# Allegro board Try it by yourself - iMX6Rex module - Change track width on L3.brd (continued)
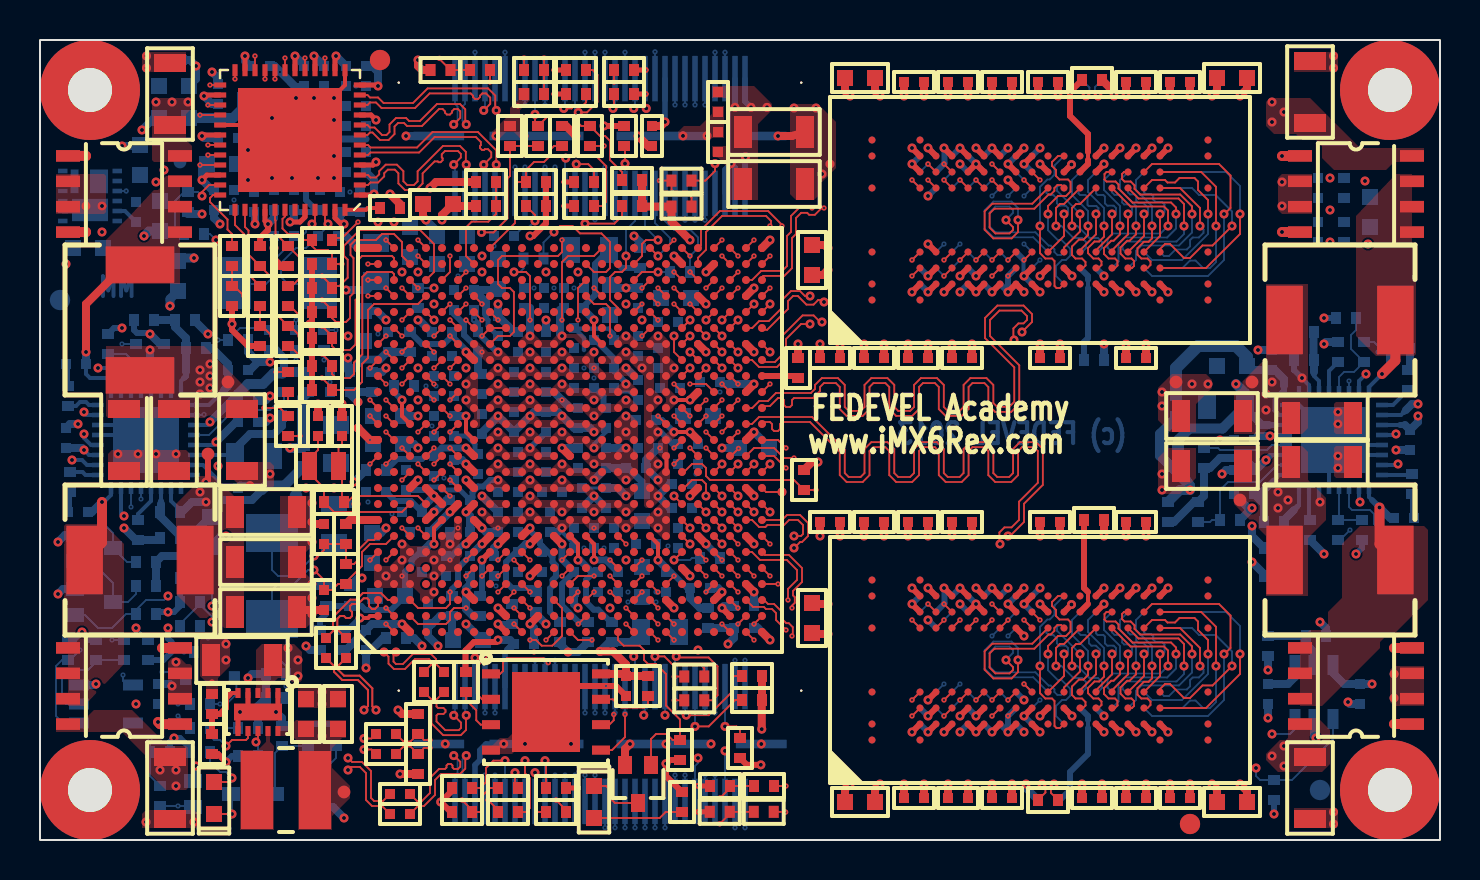
[diagram p0: board, top side]
## Routing (per net, layer and track width the routed paths; a pad name or vN(x,y) marks a point on that pad's centre or on a via; arc(x,y) is an arc through that point) (continued)
RGMII_RXD2: length 27.4
  TOP w0.093: v2(8,36.25) U8.28 ; U1.B24 17.7,29.1 17.6,29.2 16.1,29.2 15.88,28.98 15.88,27.1 15.77,27 15.77,24.78 15.5,24.5 14.8,24.5 14.6,24.7 R96.1 14.6,25.2 v2(14.1,25.7)
  L2 w0.1: v2(8,36.25) v3(8.4,36.25) ; v2(14.1,25.7) v3(14.4,25.4)
  L3 w0.1: v3(8.4,36.25) 8.4,35.8 9,35.2 9,34.9 8.3,34.2 8.3,33.76 7.64,33.1 7.64,31.86 7.47,31.7 7.47,29.86 11.5,25.83 11.5,25.5 11.78,25.22 12.21,25.22 12.48,25.49 13.21,25.49 13.3,25.4 v3(14.4,25.4)
RGMII_RXD3: length 28.5
  TOP w0.093: 14.65,27.65 14.7,27.7 14.97,27.7 15.38,28.12 15.38,29.02 15.2,29.2 15.2,29.71 15.99,30.5 19,30.5 19.7,29.8 19.7,28.4 U1.D23 ; 14.65,27.65 14.7,27.6 ; 14.65,27.65 R95.1 14.6,27.7 v2(14.1,28.2) ; v2(8.4,36.75) U8.27
  L2 w0.1: v2(8.4,36.75) v3(8.8,36.75) ; v2(14.1,28.2) v3(14.4,27.9)
  L3 w0.1: v3(8.8,36.75) 8.8,36.5 8.7,36.4 8.7,35.83 9.22,35.3 9.22,34.8 9.08,34.66 9.08,34.1 8.87,33.89 8.87,33.73 9.1,33.5 9.1,33.3 8.87,33.08 8.87,32.93 9.1,32.7 9.1,32.53 8.87,32.3 8.87,32.1 9.2,31.78 9.2,31.4 9,31.2 8.57,31.2 8.2,30.83 8.2,29.8 9.8,28.2 10.8,28.2 11.8,27.2 12.3,27.2 12.5,27.4 12.5,27.8 12.7,28 14.3,28 v3(14.4,27.9)
RGMII_RXDV: length 27.5
  TOP w0.093: 14.7,22.5 15.7,22.5 16.1,22.9 16.1,23.8 16.4,24.1 16.4,26.5 16.7,26.8 18.9,26.8 U1.D22 ; 14.7,22.5 v2(14.1,23.1) ; 14.7,22.5 R91.1 ; v2(8,33.75) U8.33
  L2 w0.1: v3(7.6,33.75) v2(8,33.75) ; v3(13.8,23.4) v2(14.1,23.1)
  L3 w0.1: v3(13.8,23.4) 13.5,23.7 13.3,23.7 13.1,23.5 12.9,23.5 11.7,24.7 11.43,24.7 10.93,25.2 10.93,25.57 8.1,28.4 7.47,28.4 6.97,28.9 6.97,30.49 6.7,30.76 6.7,34.1 6.9,34.3 7.4,34.3 7.6,34.1 v3(7.6,33.75)
RGMII_TXCLK: length 19.7
  TOP w0.093: v2(9.75,38.05) U8.24
  L2 w0.1: v2(9.75,38.05) v3(10.15,38.05)
  L3 w0.1: v1(19.7,27.6) 19.7,28.21 19.2,28.71 19.2,28.8 18.8,29.2 18.6,29.2 18.5,29.1 18.3,29.1 18.2,29.2 18.2,29.4 18.3,29.5 18.3,29.7 17.98,30.02 17.4,30.02 17.18,29.8 16.3,29.8 16.08,30.02 14.88,30.02 14.47,30.43 14.2,30.43 14.02,30.6 14.02,30.91 13.37,31.56 12.24,31.56 11.22,32.57 11.22,34.78 10.8,35.2 10.8,35.48 10.15,36.13 10.15,36.39 10.5,36.74 10.5,37 10.1,37.4 10.1,38 v3(10.15,38.05)
  BOTTOM w0.093: R35.2 v1(19.7,27.6)
RGMII_TXD0: length 21.2
  TOP w0.093: U8.19 v2(12.25,39.1) ; v2(18.1,27.6) U1.C22
  L2 w0.1: v2(18.1,27.6) v3(18.4,27.9) ; v3(12.25,38.7) v2(12.25,39.1)
  L3 w0.1: v3(12.25,38.7) 12.05,38.9 11.25,38.9 10.87,38.52 10.01,38.52 9.7,38.2 9.7,36.1 10.27,35.53 10.27,35.22 10.8,34.7 10.8,32.4 11.92,31.28 12.82,31.28 13.17,30.93 13.17,30.7 14.07,29.8 15.17,29.8 15.74,29.22 16.22,29.22 16.4,29.4 17.1,29.4 17.57,28.93 17.57,28.4 18.07,27.9 v3(18.4,27.9)
RGMII_TXD1: length 21.2
  TOP w0.093: v2(11.75,38.05) U8.20 ; v2(20.5,26) U1.F20
  L2 w0.1: v2(11.75,38.05) v3(11.75,38.45) ; v3(20.3,26.4) 20.3,26.2 v2(20.5,26)
  L3 w0.1: v3(20.3,26.4) 20.5,26.6 20.5,27.2 20.27,27.43 20.27,29.04 19.61,29.7 19.2,29.7 18.37,30.53 16.01,30.53 15.33,31.2 14.9,31.2 13.9,32.2 12.87,32.2 12.22,32.84 12.22,33.78 11.8,34.2 11.8,35.37 11.2,35.97 11.2,37.3 11.37,37.48 11.9,37.48 12.1,37.68 12.1,38.2 11.85,38.45 v3(11.75,38.45)
RGMII_TXD2: length 21.3
  TOP w0.093: v2(11.25,38.05) U8.21 ; U1.E21 v2(20.5,26.8)
  L2 w0.1: v2(11.25,38.05) v3(11.25,38.45) ; v3(20.2,27.1) v2(20.5,26.8)
  L3 w0.1: v3(11.25,38.45) 11.3,38.45 11.65,38.1 11.65,37.86 11.47,37.68 11.23,37.68 11.01,37.9 10.77,37.9 10.59,37.72 10.59,37.48 10.95,37.12 10.95,35.89 11.55,35.29 11.55,34.1 11.97,33.68 11.97,32.63 12.65,31.95 13.78,31.95 14.77,30.96 14.77,30.69 15.17,30.3 18.2,30.3 19,29.5 19.53,29.5 20.07,28.96 20.07,27.22 v3(20.2,27.1)
RGMII_TXD3: length 21.2
  TOP w0.093: v2(16.4,28.8) U1.A24 ; U8.22 v2(10.75,39.2)
  L2 w0.1: v2(16.4,28.8) v3(16.8,28.8) ; v3(10.75,38.8) v2(10.75,39.2)
  L3 w0.1: v3(16.8,28.8) 16.6,28.6 15.6,28.6 14.9,29.3 13.58,29.3 12.86,30.03 12.48,30.03 12.08,30.43 10.57,30.43 9.75,31.25 9.75,35.35 9.2,35.9 9.2,37.2 9,37.4 8.65,37.4 8.22,37.83 8.22,38.63 8.42,38.83 8.9,38.83 9.12,38.6 9.3,38.6 9.5,38.8 v3(10.75,38.8)
RGMII_TXEN: length 21.2
  TOP w0.093: v2(8.5,37.75) U8.25 ; U1.C23 v2(18.9,27.6)
  L2 w0.1: v3(18.6,27.3) v2(18.9,27.6) ; v2(8.5,37.75) v3(8.9,37.75)
  L3 w0.1: v3(8.9,37.75) 8.9,38.1 9.05,38.25 9.3,38.25 9.45,38.1 9.45,35.98 10.02,35.4 10.02,34.1 10.3,33.83 10.3,33.48 10.02,33.2 10.02,32.7 10.3,32.43 10.3,32.08 10.02,31.8 10.02,31.48 10.3,31.2 11.53,31.2 11.96,30.77 12.1,30.77 12.44,30.43 13.02,30.43 13.9,29.55 15.07,29.55 15.72,28.9 16.3,28.9 16.5,29.1 17,29.1 17.2,28.9 17.2,28 17.5,27.7 18.2,27.7 18.6,27.3 v3(18.6,27.3)
RSTINN: length 70.8
  L3 w0.1: v4(17.6,36.2) 19.1,36.2 19.48,36.58 21.72,36.58 22,36.86 23.78,36.86 24.24,37.32 25.52,37.32 25.76,37.56 28.4,37.56 29.55,38.7 30.5,38.7 30.86,38.34 31.43,38.34 31.64,38.54 v4(33.75,38.54)
  L10 w0.08: v4(33.75,38.54) v5(33.75,38.98) ; v4(17.6,36.2) 17.4,36.2 16.5,37.1 16.5,38 15.75,38.75 9.55,38.75 8.82,38.03 7.12,38.03 6.22,37.13 6.22,35.99 5.31,35.09 5.01,35.09 4.23,34.3 3.8,34.3 1.6,32.1 1.6,29.93 1.8,29.73 1.8,24.23 2.13,23.9 2.13,22.57 1.5,21.94 1.5,19.67 1.97,19.19 1.97,18.74 1.8,18.57 1.8,12.1 2.7,11.2 2.7,10.2 v5(1.7,9.2)
  L11 w0.1: v5(33.75,38.98) v6(33.75,39.38) ; v5(1.7,9.2) v6(2,9.5)
  BOTTOM w0.093: U7.1 1.9,5.9 1.1,5.9 0.8,6.2 0.8,8.7 1.1,9 R68.1 1.5,9 v6(2,9.5) ; J1.8 v6(33.75,39.38)
RSTOUTN: length 79.2
  TOP w0.093: v1(33.75,33.82) 33.75,33.45 33.27,32.97 R51.2
  L3 w0.1: v1(33.75,33.82) 32.99,34.58 31.11,34.58 30.87,34.35 30.87,33.98 30.55,33.66 30.15,33.66 29.7,33.2 29.7,32.35 27.57,30.22 26.97,30.22 26.16,31.03 25.21,31.03 24.91,31.33 24.59,31.33 24.22,30.95 21.65,30.95 21.5,30.8 20.47,30.8 20.3,30.63 19.94,30.63 19.72,30.84 19.72,31.11 19.46,31.38 18.1,31.38 17.97,31.5 16.62,31.5 16.52,31.4 16,31.4 15.9,31.5 15.6,31.5 15.3,31.8 14.9,31.8 v4(14.5,32.2)
  L10 w0.08: v4(14.5,32.2) 15.1,32.8 15.1,33.27 14.32,34.04 14.32,36.16 14.67,36.5 15.59,36.5 15.88,36.79 15.88,37.3 15.7,37.48 15.2,37.98 14.95,38.23 9.72,38.23 9.07,37.57 8.04,37.57 7.82,37.36 7.82,36.7 7.53,36.4 7.3,36.4 5.5,34.6 5.3,34.6 4.3,33.6 4.3,32.3 3.47,31.48 3.47,30.24 2.7,29.47 2.7,25.47 4.1,24.07 4.1,23.74 4.5,23.33 4.5,22.7 3.7,21.9 3.7,20 3.5,19.8 3.5,12.9 4.1,12.3 4.1,11.4 4.42,11.08 4.42,8.88 5,8.3 5,7.8 6,6.8 v5(6.5,6.8)
  L11 w0.1: v5(6.5,6.8) v6(6.9,6.8)
  BOTTOM w0.093: v6(6.9,6.8) R70.2 ; J1.7 v1(33.75,33.82)
RSTOUTN_R: length 19.3
  TOP w0.093: v2(30.97,32.97) R51.1 31.57,32.51 31.75,32.33 32.37,32.33 32.57,32.13 R49.1 ; U1.H19 22.9,25.2 23.5,25.2 23.7,25.4 23.7,27.4 23.5,27.6 23.1,27.6 22.9,27.8 22.9,29 23.1,29.2 25.9,29.2 26.1,29.4 v2(26.1,30)
  L2 w0.1: v2(26.1,30) v3(26.5,30) ; v2(30.97,32.97) v3(30.97,33.37)
  L3 w0.1: v3(30.97,33.37) 30.97,33.06 27.72,29.8 26.7,29.8 v3(26.5,30)
RTC_XTALI: length 7.9
  TOP w0.093: U1.D9 18.9,17.2 15.67,17.2 15.37,16.9 R54.1 15.1,17 15.1,18.52 Y2.1 14.92,19.63 15.1,19.8 C85.1
RTC_XTALO: length 8.4
  TOP w0.093: C86.1 13.9,19.5 13.47,19.08 Y2.2 13.47,18.33 14.2,17.6 R54.2 14.7,16.4 18.1,16.4 U1.C9
SATA_C_RX_N: length 19.7
  TOP w0.09: v2(16.5,21.2) U1.A14 ; C69.1 19.55,8.75 19.55,8.95 19.45,9.05 18.75,9.05 18.25,8.55 17.69,8.55 17.42,8.82 17.42,9.17 17.2,9.39 v1(17.2,9.4)
  L2 w0.1: v2(16.5,21.2) v3(16.8,20.9)
  L3 w0.085: v3(16.8,20.9) v4(17.1,20.6)
  L10 w0.085: v4(17.1,20.6) 17.17,20.6 17.37,20.4 17.37,20.23 17.69,19.92 18.7,19.92 18.75,19.97 19.3,19.97 19.6,19.67 19.6,18.02 17.92,16.34 17.92,15.7 17.45,15.23 17.45,13.73 17.67,13.52 17.67,13.05 17.45,12.83 17.45,10.6 17.35,10.49 17.35,9.6 17.2,9.45 v1(17.2,9.4)
SATA_C_RX_P: length 19.7
  TOP w0.09: v2(17.3,21.2) U1.B14 ; C70.1 19.8,8.8 19.8,9.05 19.55,9.3 18.65,9.3 18.15,8.8 17.8,8.8 17.67,8.92 17.67,9.28 v1(17.8,9.4)
  L2 w0.1: v2(17.3,21.2) v3(17.6,20.9)
  L3 w0.085: v3(17.6,20.9) v4(17.9,20.6)
  L10 w0.085: v1(17.8,9.4) 17.8,9.45 17.63,9.63 17.63,10.38 17.73,10.48 17.73,12.72 17.95,12.93 17.95,13.63 17.73,13.85 17.73,15.12 18.2,15.58 18.2,16.22 19.88,17.9 19.88,19.78 19.42,20.25 18.63,20.25 18.58,20.2 17.8,20.2 17.65,20.35 17.65,20.45 17.8,20.6 v4(17.9,20.6)
SATA_C_TX_N: length 25.7
  TOP w0.09: C71.1 17.1,1.7 16.6,1.7 16.3,2 16.3,3.35 16,3.65 15.55,3.65 v1(15.4,3.5) ; v4(17.3,18.8) U1.B12
  L2 w0.1: v4(17.3,18.8) v3(17.6,19.1)
  L3 w0.085: v4(17.3,18.8) v3(17.6,19.1)
  L10 w0.085: v4(17.3,18.8) 17.06,18.8 16.96,18.9 16.96,19.16 17.1,19.3 17.5,19.3 18.2,18.6 18.2,18.1 17.9,17.8 17.8,17.8 17.59,18.01 17.45,18.01 17.34,17.9 17.34,17.76 17.55,17.55 17.55,17.45 17,16.9 17,16.22 16.47,15.68 16.47,12.77 16.37,12.67 16.37,9.58 15.42,8.64 15.42,8.42 14.47,7.46 14.47,3.76 14.73,3.5 v1(15.4,3.5)
SATA_C_TX_P: length 25.7
  TOP w0.09: C72.1 17.15,1.95 16.7,1.95 16.55,2.1 16.55,3.45 16.1,3.9 15.61,3.9 15.41,4.1 v1(15.4,4.1) ; v4(16.5,18.8) U1.A12
  L2 w0.1: v4(16.5,18.8) v3(16.8,19.1)
  L3 w0.085: v4(16.5,18.8) v3(16.8,19.1)
  L10 w0.085: v4(16.5,18.8) 16.68,18.98 16.68,19.28 16.98,19.58 17.62,19.58 18.48,18.72 18.48,17.98 17.28,16.78 17.28,16.1 16.75,15.57 16.75,12.65 16.65,12.55 16.65,9.47 15.7,8.52 15.7,8.3 14.75,7.35 14.75,4.85 14.8,4.8 14.9,4.8 15,4.7 15,4.6 14.9,4.5 14.8,4.5 14.75,4.45 14.75,3.88 14.85,3.78 15.03,3.78 15.35,4.1 v1(15.4,4.1)
SATA_REXT: length 2.2
  TOP w0.2: v1(18.1,22) 18.1,21.2 U1.C14
  BOTTOM w0.3: R20.2 17.7,22.4 v1(18.1,22)
SATA_RX_N: length 6
  TOP w0.09: C69.2 19.57,7.03 19.57,5.82 20.16,5.24 21.04,5.24 21.3,5.5 21.3,6.22 v1(21.31,6.23)
  BOTTOM w0.09: v1(21.31,6.23) 21.25,6.3 J2.58
SATA_RX_P: length 6
  TOP w0.09: C70.2 19.82,7.03 19.82,6.68 19.9,6.6 20.17,6.6 20.27,6.5 20.27,6.4 20.17,6.3 19.9,6.3 19.82,6.23 19.82,5.93 20.26,5.49 20.94,5.49 21.05,5.6 21.05,5.87 v1(20.69,6.23)
  BOTTOM w0.09: v1(20.69,6.23) 20.75,6.3 J2.60
SATA_TX_N: length 7.2
  TOP w0.09: v1(21.31,4.22) 21.26,4.17 21.26,3.56 21,3.3 20.05,3.3 19.75,3 19.75,2.25 19.2,1.7 18.9,1.7 C71.2
  BOTTOM w0.09: v1(21.31,4.22) 21.12,4.03 21.12,3.33 21.25,3.2 J2.57
SATA_TX_P: length 7.3
  TOP w0.09: C72.2 18.85,1.95 19.1,1.95 19.5,2.35 19.5,3.1 19.95,3.55 20.25,3.55 20.32,3.63 20.32,3.73 20.4,3.8 20.55,3.8 20.62,3.73 20.62,3.63 20.7,3.55 20.9,3.55 21.01,3.67 21.01,3.91 20.7,4.22 ; v1(20.69,4.22) 20.7,4.22 ; 20.7,4.22 20.7,4.22
  BOTTOM w0.09: v1(20.69,4.22) 20.87,4.03 20.87,3.33 20.75,3.2 J2.59
SD2_ACT: length 19.9
  TOP w0.093: v2(28.5,12.4) U1.T3
  L2 w0.1: v2(28.5,12.4) v3(28.8,12.7)
  L3 w0.1: v1(32.9,4.1) 33.3,3.7 34.7,3.7 35,4 35,5.86 32.67,8.19 32.67,8.44 32.42,8.69 31.6,8.69 31.44,8.86 31.44,9.16 30.91,9.69 30.91,11.63 31.27,11.99 31.27,12.83 30.75,13.35 29.15,13.35 28.8,13 v3(28.8,12.7)
  BOTTOM w0.093: v1(32.9,4.1) 32.9,3.85 32.75,3.7 J2.11
SD2_CD: length 42.1
  TOP w0.093: v4(20.5,22) U1.F16
  L2 w0.1: v4(20.5,22) v3(20.8,22.3)
  L3 w0.1: v4(20.5,22) v3(20.8,22.3) ; v6(12.3,7.7) 12.3,8.13 12.77,8.6 14.75,8.6 16.27,7.08 16.76,7.08 17.32,6.51 17.32,6.26 17.66,5.93 18.51,5.93 19.33,6.75 21.8,6.75 22.6,5.95 25.61,5.95 v4(25.97,5.59)
  L10 w0.08: v4(25.97,5.59) 26.25,5.87 v5(26.25,5.97) ; v6(12.3,7.7) v5(12.3,8.1) 12.3,8.93 12.77,9.41 12.77,9.71 13.14,10.08 13.37,10.08 14.2,10.9 14.2,13.02 14.3,13.12 14.3,14.7 14.2,14.8 14.2,16.35 14.4,16.55 14.4,17.37 14.32,17.44 14.32,17.9 15.02,18.59 15.02,20.53 15.79,21.3 16.11,21.3 16.47,21.66 16.47,22.18 16.9,22.6 19.16,22.6 19.53,22.22 20.27,22.22 v4(20.5,22)
  L11 w0.1: v5(26.25,5.97) v6(26.25,6.36) 26.25,6.37 ; v6(12.3,7.7) v5(12.3,8.1)
  BOTTOM w0.093: v6(26.25,6.36) J2.38 ; R42.1 v6(12.3,7.7)
SD2_CLK: length 49
  L3 w0.1: v4(26.75,7.3) 26.55,7.49 26.04,7.49 25.89,7.64 25.89,7.97 25.74,8.12 25.49,8.12 25.34,7.97 25.34,7.74 25.24,7.64 23.36,7.64 22.27,8.73 21.57,8.73 20.2,10.1 16.4,10.1 15.5,11 15.5,11.28 15.67,11.44 15.67,13.15 15.52,13.3 15.27,13.3 15.12,13.15 15.12,12.17 14.97,12.02 14.72,12.02 14.57,12.17 14.57,13.15 14.42,13.3 14.17,13.3 14.02,13.15 14.02,11.97 13.77,11.73 13.44,11.73 13.2,11.97 13.2,12.85 13.05,13 12.8,13 12.65,12.85 12.65,12.1 12.5,11.95 12.25,11.95 12.1,12.1 12.1,12.85 11.95,13 11.7,13 11.55,12.85 11.55,12.1 11.4,11.95 11.15,11.95 11,12.1 11,13.05 11.4,13.45 12.1,13.45 12.25,13.6 12.25,13.85 12.1,14 11.2,14 10.5,13.3 v4(10.5,12.9)
  L10 w0.08: v4(10.5,12.9) 10.7,13.1 10.7,17.38 10.87,17.56 10.87,17.93 10.7,18.1 10.7,18.7 11.7,19.7 11.7,20 11.88,20.18 11.88,23.08 12.12,23.33 12.5,23.33 12.95,23.78 12.95,24.25 v5(12.8,24.4) ; v5(26.75,6.76) v4(26.75,7.3)
  L11 w0.1: v6(12.8,24) v5(12.8,24.4) ; v6(26.75,6.36) v5(26.75,6.76)
  BOTTOM w0.093: J2.36 v6(26.75,6.36) ; v6(12.8,24) R66.2
SD2_CLK_R: length 8.1
  TOP w0.093: v2(18.1,26) U1.C21
  L2 w0.1: v2(18.1,26) v3(18.4,26.3)
  L3 w0.1: v3(18.4,26.3) v4(18.7,26.6)
  L10 w0.08: v4(18.7,26.6) 18.52,26.43 14.7,26.43 14.57,26.3 v5(13.1,26.3)
  L11 w0.1: v6(12.8,26) v5(13.1,26.3)
  BOTTOM w0.093: R66.1 v6(12.8,26)
SD2_CMD: length 49.7
  L3 w0.1: v4(8.9,6) 8.9,3.27 9.67,2.5 10,2.5 11,1.5 15.5,1.5 15.88,1.12 29.91,1.12 v4(30.25,1.46)
  L10 w0.08: v5(13.8,24) 12.37,22.58 12.37,20.01 12.12,19.76 12.12,19.46 11.12,18.46 11.12,12.23 8.72,9.83 8.72,6.54 8.9,6.37 v4(8.9,6) v5(8.9,5.6) ; v5(30.25,1.02) v4(30.25,1.46)
  L11 w0.1: v5(8.9,5.6) v6(9.3,5.6) ; v5(13.8,24) v6(14.2,24) ; v6(30.25,0.62) v5(30.25,1.02)
  BOTTOM w0.093: v6(30.25,0.62) J2.21 ; v6(9.3,5.6) R41.1 ; v6(14.2,24) R52.2
SD2_CMD_R: length 8.6
  TOP w0.093: v2(20.5,25.2) U1.F19
  L2 w0.1: v2(20.5,25.2) 20.7,25 v3(20.9,25)
  L3 w0.1: v4(20.7,25.4) 20.7,25.2 v3(20.9,25)
  L10 w0.08: v5(14.8,25.9) 16.8,25.9 17.1,25.6 20.5,25.6 v4(20.7,25.4)
  L11 w0.1: v6(14.8,25.5) v5(14.8,25.9)
  BOTTOM w0.093: R52.1 v6(14.8,25.5)
SD2_DATA0: length 56.9
  TOP w0.093: v4(16.4,27.2) U1.A22
  L2 w0.1: v4(16.4,27.2) v3(16.8,27.2)
  L3 w0.1: v4(9.4,11.1) 9.4,10.5 9,10.1 8.6,10.1 8.45,9.95 8.45,9.7 8.6,9.55 8.75,9.55 8.9,9.4 8.9,9.15 8.75,9 8.6,9 8.45,8.85 8.45,8.6 8.6,8.45 9.45,8.45 9.7,8.7 9.7,9.2 9.85,9.35 10.1,9.35 10.25,9.2 10.25,9.02 10.4,8.87 10.67,8.87 12.2,10.4 14.5,10.4 15.92,8.98 15.92,8.44 16.14,8.23 16.74,8.23 17.02,8.5 18.63,8.5 19.53,7.6 21.95,7.6 22.85,6.7 26.06,6.7 26.46,6.3 27.38,6.3 27.86,5.82 28.38,5.82 28.74,6.18 v4(29.19,6.18) ; v4(16.4,27.2) v3(16.8,27.2)
  L10 w0.08: v4(16.4,27.2) 16.25,27.35 16.25,27.6 16.1,27.75 15.85,27.75 15.7,27.6 15.7,27.25 15.57,27.13 15.01,27.13 14.88,27.25 14.88,27.6 14.73,27.75 14.48,27.75 14.33,27.6 14.33,27.25 14.18,27.1 12.7,27.1 10.85,25.25 10.85,24.58 10.62,24.36 10.62,19.89 9.62,18.89 9.62,15.76 9.9,15.48 9.9,14.99 9.65,14.74 9.65,13.48 8.92,12.76 8.92,12.33 8.7,12.1 8.47,12.1 8.22,11.86 8.22,11.48 8.4,11.3 9.2,11.3 v4(9.4,11.1) ; v4(29.19,6.18) 29.25,6.24 v5(29.25,6.76)
  L11 w0.1: v6(29.25,6.36) v5(29.25,6.76)
  BOTTOM w0.093: v6(29.25,6.36) J2.26
SD2_DATA1: length 57
  TOP w0.093: v2(19.7,25.2) U1.E20
  L2 w0.1: v2(19.7,25.2) v3(20,24.9)
  L3 w0.1: v4(29.7,2) 29.7,1.6 29.6,1.5 29.38,1.5 29.01,1.88 28.66,1.88 28.38,1.6 25.53,1.6 25.23,1.9 22.97,1.9 22.78,1.72 20.8,1.72 20.22,2.3 19.87,2.3 19.33,1.77 16.13,1.77 15.9,2 13.1,2 12.9,2.2 12.9,2.5 13.1,2.7 13.1,2.9 12.9,3.1 12.4,3.1 12.2,3.3 12.2,3.6 12.4,3.8 12.4,4.4 12.25,4.55 11.45,4.55 11.3,4.7 11.3,4.95 11.45,5.1 12.1,5.1 v4(12.2,5) ; v3(20,24.9) v4(20.3,24.6)
  L10 w0.08: v4(12.2,5) 12.4,5 12.6,5.2 12.6,5.88 12.42,6.05 12.42,6.71 11.21,7.92 11.21,9.5 13.02,11.32 13.02,16.31 13.22,16.51 13.22,17.08 13.37,17.23 13.52,17.23 13.67,17.38 13.67,18.19 14.32,18.84 14.32,20.8 14.7,21.18 14.7,21.93 15.47,22.7 15.7,22.7 16.23,23.22 19.92,23.22 20.12,23.43 20.12,24.08 19.97,24.22 19.7,24.22 19.45,24.47 19.45,25.1 19.6,25.25 20.15,25.25 20.3,25.1 v4(20.3,24.6) ; v4(29.7,2) 29.75,1.95 v5(29.75,1.02)
  L11 w0.1: v6(29.75,0.62) v5(29.75,1.02)
  BOTTOM w0.093: v6(29.75,0.62) J2.23
SD2_DATA2: length 57.1
  TOP w0.093: v4(16.4,28) U1.A23
  L2 w0.1: v4(16.4,28) v3(16.8,28)
  L3 w0.1: v4(16.4,28) v3(16.8,28) ; v4(8.3,12.5) 8.3,12.4 8.43,12.4 8.97,11.86 8.97,10.63 8.82,10.48 8.37,10.48 8.12,10.23 8.12,8.17 8.37,7.93 8.62,7.93 8.92,8.23 9.17,8.23 9.47,7.93 9.72,7.93 9.88,8.08 9.88,8.28 10.1,8.5 10.77,8.5 12.39,10.13 14.37,10.13 15.67,8.82 15.67,8.41 16.06,8.03 16.82,8.03 17.1,8.3 18.49,8.3 19.44,7.35 21.87,7.35 22.77,6.45 25.97,6.45 26.37,6.05 27.35,6.05 27.78,5.62 v4(28.75,5.62)
  L10 w0.08: v4(8.3,12.5) 8.3,12.41 ; 8.3,12.41 9.4,13.51 9.4,14.77 9.7,15.07 9.7,15.4 9.37,15.73 9.37,18.98 10.37,19.98 10.37,24.49 10.6,24.72 10.6,25.38 13.07,27.85 13.4,27.85 13.55,27.7 13.55,27.48 13.7,27.33 13.95,27.33 14.1,27.48 14.1,28.3 14.25,28.45 14.6,28.45 14.75,28.3 14.75,28.08 14.9,27.93 15.15,27.93 15.3,28.08 15.3,28.3 15.45,28.45 15.7,28.45 16.15,28 v4(16.4,28) ; 8.3,12.41 8.3,12.4 ; v4(28.75,5.62) v5(28.75,6.76)
  L11 w0.1: v6(28.75,6.36) v5(28.75,6.76)
  BOTTOM w0.093: v6(28.75,6.36) J2.28
SD2_DATA3: length 56.9
  TOP w0.093: v2(17.3,27.6) U1.B22
  L2 w0.1: v2(17.3,27.6) v3(17.6,27.3)
  L3 w0.1: v4(28.9,2.4) 27.8,2.4 27.4,2 25.8,2 25.4,2.4 22.8,2.4 22.52,2.12 20.98,2.12 20.4,2.7 19.7,2.7 19.26,2.27 16.22,2.27 16.08,2.4 14.3,2.4 13,3.7 v4(13,3.9) ; v3(17.6,27.3) v4(18,27.3)
  L10 w0.08: v4(18,27.3) 17.7,27.6 17.7,27.8 17.9,28 19.1,28 19.3,27.8 19.3,27.4 19.47,27.22 19.87,27.22 21.37,25.73 21.37,25.06 20.9,24.59 20.9,23.47 20.66,23.22 20.21,23.22 19.98,23 16.47,23 15.52,22.06 15.52,21.6 14.52,20.6 14.52,18.76 13.9,18.14 13.9,17.08 13.97,17.01 13.97,16.69 13.7,16.42 13.42,16.42 13.22,16.23 13.22,11.24 11.42,9.44 11.42,8.04 12.67,6.79 12.67,6.19 12.88,5.99 12.88,4.02 v4(13,3.9) ; v5(29.25,1.02) 29.25,2.05 v4(28.9,2.4)
  L11 w0.1: v6(29.25,0.62) v5(29.25,1.02)
  BOTTOM w0.093: v6(29.25,0.62) J2.25
SD2_DATA4: length 56.9
  TOP w0.093: U1.A19 v2(17.3,25.2)
  L2 w0.1: v3(16.9,25.2) v2(17.3,25.2)
  L3 w0.1: v4(28.25,6.22) 27.9,6.22 27.56,6.55 26.53,6.55 26.13,6.95 22.93,6.95 22.03,7.85 20.71,7.85 20.46,8.1 20.46,8.55 20.31,8.7 20.06,8.7 19.91,8.55 19.91,8.1 19.76,7.95 19.51,7.95 19.36,8.1 19.36,8.55 19.21,8.7 16.73,8.7 16.46,8.98 16.36,8.98 14.68,10.65 12,10.65 11.3,9.95 11.05,9.95 10.9,10.1 10.9,10.35 10.75,10.5 10.5,10.5 10.35,10.35 10.35,10.1 10.2,9.95 9.95,9.95 9.8,10.1 9.8,11.4 9.5,11.7 9.5,12.1 9.35,12.25 9,12.25 8.85,12.4 8.85,12.65 9,12.8 v4(9.5,12.8) ; v4(16.6,25.5) v3(16.9,25.2)
  L10 w0.08: v4(9.5,12.8) 9.5,11.77 9.74,11.52 10.06,11.52 10.3,11.77 10.3,12.5 10.12,12.68 10.12,14.65 10.3,14.82 10.3,15.7 10.12,15.88 10.12,18.73 11.12,19.73 11.12,24.06 11.35,24.28 11.35,24.9 11.5,25.05 11.75,25.05 11.9,24.9 11.9,23.9 12.05,23.75 12.3,23.75 12.45,23.9 12.45,25.73 12.6,25.87 12.85,25.87 13,25.73 13,24.93 13.15,24.78 13.4,24.78 13.55,24.93 13.55,25.3 13.7,25.45 13.95,25.45 14.1,25.3 14.1,24.93 14.25,24.78 14.5,24.78 14.65,24.93 14.65,25.05 15.18,25.58 16.52,25.58 v4(16.6,25.5) ; v4(28.25,6.22) v5(28.25,6.76)
  L11 w0.1: v6(28.25,6.36) v5(28.25,6.76)
  BOTTOM w0.093: v6(28.25,6.36) J2.30
SD2_DATA5: length 57
  TOP w0.093: v2(17.3,24.4) U1.B18
  L2 w0.1: v3(17,24.1) v2(17.3,24.4)
  L3 w0.1: v4(28.85,1.5) 28.75,1.4 25.4,1.4 25.15,1.65 23.05,1.65 22.92,1.52 16.08,1.52 15.8,1.8 11.3,1.8 11.15,1.95 11.15,2.2 11.3,2.35 12.55,2.35 12.7,2.5 12.7,2.75 12.55,2.9 10.15,2.9 10,3.05 10,3.3 10.15,3.45 11.8,3.45 11.97,3.62 11.97,4.13 11.8,4.3 10.89,4.3 10.69,4.1 10.1,4.1 9.95,4.25 9.95,4.5 10.25,4.8 10.25,5.05 9.95,5.35 9.95,5.6 10.1,5.75 10.55,5.75 11.05,5.25 11.25,5.25 11.5,5.5 v4(11.5,5.6) ; v4(16.6,24.1) v3(17,24.1)
  L10 w0.08: v5(28.75,1.02) 28.75,1.4 v4(28.85,1.5) ; v4(11.5,5.6) 11.5,6.13 11.42,6.2 11.42,7.03 10.77,7.68 10.77,9.68 12.62,11.52 12.62,16.53 12.72,16.63 12.72,17.84 13.92,19.03 13.92,21.12 14.3,21.5 14.3,22.1 15.3,23.1 15.53,23.1 16.1,23.67 16.47,23.67 16.6,23.8 v4(16.6,24.1)
  L11 w0.1: v6(28.75,0.62) v5(28.75,1.02)
  BOTTOM w0.093: v6(28.75,0.62) J2.27
SD2_DATA6: length 56.9
  TOP w0.093: U1.E17 v2(20.5,22.8)
  L2 w0.1: v2(20.5,22.8) v3(20.8,23.1)
  L3 w0.1: v4(20.5,23.6) 20.5,23.4 v3(20.8,23.1) ; v4(9.9,11.9) 10.2,11.6 10.2,11 10.35,10.85 10.6,10.85 10.75,11 10.75,11.35 10.9,11.5 11.15,11.5 11.3,11.35 11.3,11 11.45,10.85 11.7,10.85 11.85,11 11.85,11.35 12,11.5 12.25,11.5 12.4,11.35 12.4,11.1 12.57,10.93 14.79,10.93 16.81,8.9 18.5,8.9 18.6,9 20.29,9 21.19,8.1 22.11,8.1 23.01,7.2 26.22,7.2 26.62,6.8 27.35,6.8 v4(27.75,7.2)
  L10 w0.08: v5(27.75,6.76) v4(27.75,7.2) 27.75,7.3 ; v4(20.5,23.6) 20.5,24.22 20.67,24.4 20.67,24.64 21.17,25.14 21.17,25.52 20.27,26.43 19.27,26.43 19.1,26.6 19.1,27.5 18.97,27.63 18.72,27.63 18.58,27.48 18.58,27.01 18.39,26.83 17.45,26.83 17.32,26.96 17.32,27.73 17.19,27.85 16.94,27.85 16.82,27.73 16.82,26.96 16.69,26.83 12.82,26.83 11.1,25.1 11.1,24.45 10.88,24.22 10.88,19.81 9.87,18.81 9.87,15.79 10.1,15.57 10.1,14.9 9.9,14.7 v4(9.9,11.9)
  L11 w0.1: v6(27.75,6.36) v5(27.75,6.76)
  BOTTOM w0.093: v6(27.75,6.36) J2.32
SD2_DATA7: length 56.9
  TOP w0.093: v4(18.1,23.6) U1.C18
  L2 w0.1: v4(18.1,23.6) v3(18.4,23.9)
  L3 w0.1: v4(11.2,3.9) 10,3.9 9.67,4.23 9.67,5.7 9.97,6 10.5,6 10.7,6.2 11.3,6.2 11.5,6 11.8,6 12.5,5.3 12.95,5.3 13.15,5.1 13.15,4.9 12.62,4.38 12.62,3.68 14.1,2.2 16,2.2 16.18,2.01 19.3,2.01 19.78,2.5 20.31,2.5 20.9,1.92 22.65,1.92 22.89,2.15 25.31,2.15 25.66,1.8 28.05,1.8 v4(28.25,2) ; v4(18.1,23.6) v3(18.4,23.9)
  L10 w0.08: v4(11.2,3.9) 12.2,3.9 12.35,4.05 12.35,4.3 12.2,4.45 11.57,4.45 11.32,4.7 11.32,4.89 12.17,5.74 12.17,6.56 10.99,7.74 10.99,9.57 12.82,11.4 12.82,16.45 12.92,16.55 12.92,17.76 14.12,18.95 14.12,20.88 14.5,21.27 14.5,22.01 15.39,22.9 15.62,22.9 16.14,23.43 16.59,23.43 17.14,23.98 17.46,23.98 17.83,23.6 v4(18.1,23.6) ; v5(28.25,1.02) v4(28.25,2)
  L11 w0.1: v6(28.25,0.62) v5(28.25,1.02)
  BOTTOM w0.093: v6(28.25,0.62) J2.29
SD2_WP: length 43.1
  TOP w0.093: U1.D17 v2(19.7,22.8)
  L2 w0.1: v3(19.4,23.1) v2(19.7,22.8)
  L3 w0.1: v4(11.8,8.8) 12.13,8.8 12.71,9.38 13.09,9.38 13.47,9 14.68,9 16.38,7.3 16.81,7.3 17.52,6.59 17.52,6.34 17.74,6.13 18.32,6.13 19.2,7 21.88,7 22.68,6.2 25.89,6.2 26.29,5.8 26.97,5.8 v4(27.25,5.52) ; v4(19.7,22.6) 19.4,22.9 v3(19.4,23.1)
  L10 w0.08: v4(19.7,22.6) 19.5,22.8 16.7,22.8 16.27,22.38 16.27,21.74 16.03,21.5 15.7,21.5 14.82,20.62 14.82,18.67 14.12,17.98 14.12,17.36 14.2,17.29 14.2,16.64 13.97,16.41 13.97,14.74 14.1,14.62 14.1,13.2 13.97,13.08 13.97,11.08 13.3,10.4 12.67,10.4 12.02,9.76 12.02,9.52 v5(11.8,9.3) v4(11.8,8.8) ; v4(27.25,5.52) v5(27.25,5.96)
  L11 w0.1: v5(27.25,5.96) v6(27.25,6.36) ; v6(11.8,8.9) v5(11.8,9.3)
  BOTTOM w0.093: v6(27.25,6.36) J2.34 ; v6(11.8,8.9) 12.1,8.9 12.3,8.7 R43.1
SD3_CD: length 48.6
  TOP w0.093: v2(16.5,23.6) U1.A18 ; v2(28.7,37.9) R39.1
  L2 w0.1: v3(28.3,37.9) v2(28.7,37.9) ; v3(16.1,23.6) v2(16.5,23.6)
  L3 w0.1: v3(28.3,37.9) 28.26,37.94 v4(27.25,37.94) 26.34,37.94 25.9,38.38 25.08,38.38 24.6,37.9 24.26,37.9 23.66,37.3 20.47,37.3 20.27,37.1 19.3,37.1 18.78,36.57 17.38,36.57 17.13,36.83 16.59,36.83 15.94,37.48 15.34,37.48 15.12,37.26 15.12,36.99 14.06,35.92 13.54,35.92 12.87,36.6 v4(12.2,36.6) ; v4(6.2,31.8) 5.9,31.5 5.9,30.3 6.5,29.7 6.5,29.3 6.2,29 6.2,28 7.1,27.1 7.1,26.6 7.57,26.13 8.74,26.13 11.34,23.53 11.56,23.53 11.97,23.12 14.5,23.12 14.98,23.6 v3(16.1,23.6)
  L10 w0.08: v4(27.25,37.94) v5(27.25,38.98) ; v4(6.2,31.8) 6.2,32.1 6.6,32.5 6.6,32.9 7.9,34.2 8.3,34.2 9.7,35.6 11.63,35.6 12.2,36.17 v4(12.2,36.6)
  L11 w0.1: v5(27.25,38.98) v6(27.25,39.38)
  BOTTOM w0.093: J1.34 v6(27.25,39.38)
SD3_CLK: length 45.6
  TOP w0.093: R50.2 12,21.6 v2(11.2,21.6)
  L2 w0.1: v3(10.8,21.6) v2(11.2,21.6)
  L3 w0.1: v4(4.9,26.1) 4.9,25.37 5.37,24.9 6.43,24.9 7.13,24.2 8.63,24.2 9.2,23.63 9.2,22.6 8.84,22.24 8.84,21.92 9.02,21.74 9.26,21.74 9.48,21.96 9.72,21.96 9.9,21.78 9.9,21.54 9.68,21.32 9.68,21.08 9.86,20.9 10.1,20.9 v3(10.8,21.6) ; v4(28.75,32.56) 27.89,31.7 25.9,31.7 25.45,32.15 23.95,32.15 23.8,32 20.08,32 19.85,32.22 19.34,32.22 19.07,32.5 18.4,32.5 17.5,33.4 15.12,33.4 15,33.53 14.27,33.53 v4(14.1,33.7)
  L10 w0.08: v4(14.1,33.7) 13.8,33.7 13.47,33.38 13.47,32.93 13.7,32.7 13.7,32.5 13.45,32.25 11.7,32.25 11.45,32 11.45,31.35 11.3,31.2 10.53,31.2 8.6,29.27 8.4,29.27 7.03,27.9 6.2,27.9 5.2,26.9 5.2,26.4 v4(4.9,26.1) ; v5(28.75,31.42) v4(28.75,32.56)
  L11 w0.1: v6(28.75,31.02) v5(28.75,31.42)
  BOTTOM w0.093: v6(28.75,31.02) J1.27
SD3_CLK_R: length 8
  TOP w0.093: R50.1 v2(13,20.2) ; v2(18.9,20.4) U1.D14
  L2 w0.1: v2(13,20.2) v3(13,20.6) ; v3(18.6,20.7) v2(18.9,20.4)
  L3 w0.1: v3(13,20.6) 15.37,20.6 15.74,20.98 16.45,20.98 16.66,21.19 18.12,21.19 v3(18.6,20.7)
SD3_CMD: length 47.6
  TOP w0.093: v2(11.8,23.4) R1.2 ; v1(27.25,30.82) 28.72,30.82 29.1,31.2 R38.1
  L2 w0.1: v2(11.8,23.4) v3(12.2,23.4)
  L3 w0.1: v4(6.8,28.4) 6.8,28.2 7,28 7.3,28 7.55,27.75 7.55,26.75 7.7,26.6 7.95,26.6 8.1,26.75 8.1,27.25 8.25,27.4 8.5,27.4 8.65,27.25 8.65,26.55 8.8,26.4 9.23,26.4 9.46,26.18 9.76,26.18 9.97,25.96 9.97,25.74 10.42,25.3 10.42,25.09 11.22,24.28 11.66,24.28 11.9,24.03 11.9,23.7 v3(12.2,23.4) ; v1(27.25,30.82) 27.25,31.25 27,31.5 25.71,31.5 25.34,31.88 24.37,31.88 24.2,31.71 20.6,31.71 20.5,31.8 19.8,31.8 19.6,32 18.33,32 17.63,32.7 17.37,32.7 17.27,32.6 17.1,32.6 16.7,33 16.5,33 16.32,32.82 16.32,32.4 16.17,32.25 15.9,32.25 15.75,32.4 15.75,32.82 15.57,33 15.27,33 14.9,32.63 14.54,32.63 14.48,32.69 14.25,32.69 14.14,32.57 13.42,32.57 13.2,32.8 v4(13.2,33.7)